# Altium PCB USB HUB3.0-PCB.PcbDoc (part 1 of 3)
Units mil, origin at the board's own origin, x right, y up, seen from the top; angles counter-clockwise.
Board outline 2950 x 3195 mil, 4 copper layers (TOP, GND02, PWR03, BOTTOM), stack 61.811 mil thick; 109 components, 81 nets, 1499 pads, 624 vias.
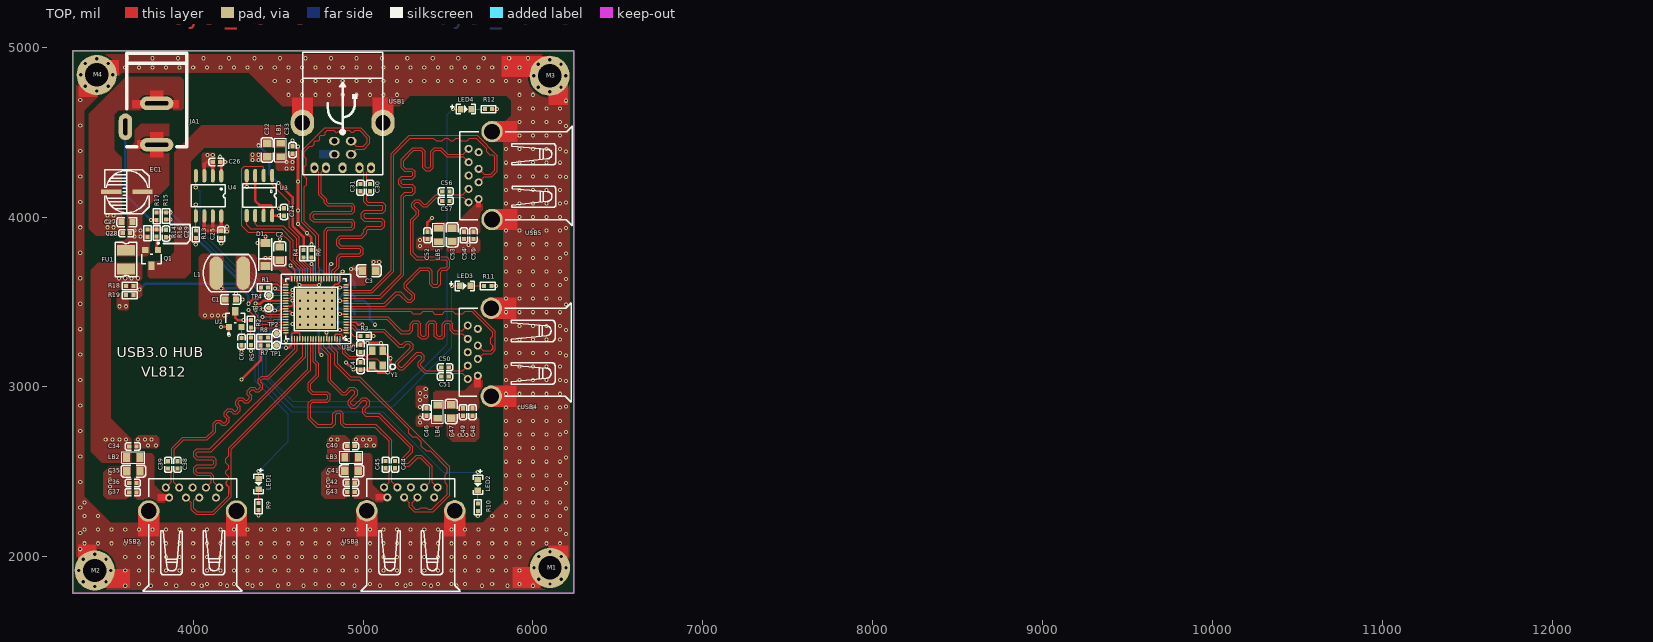
[diagram p0: TOP view]
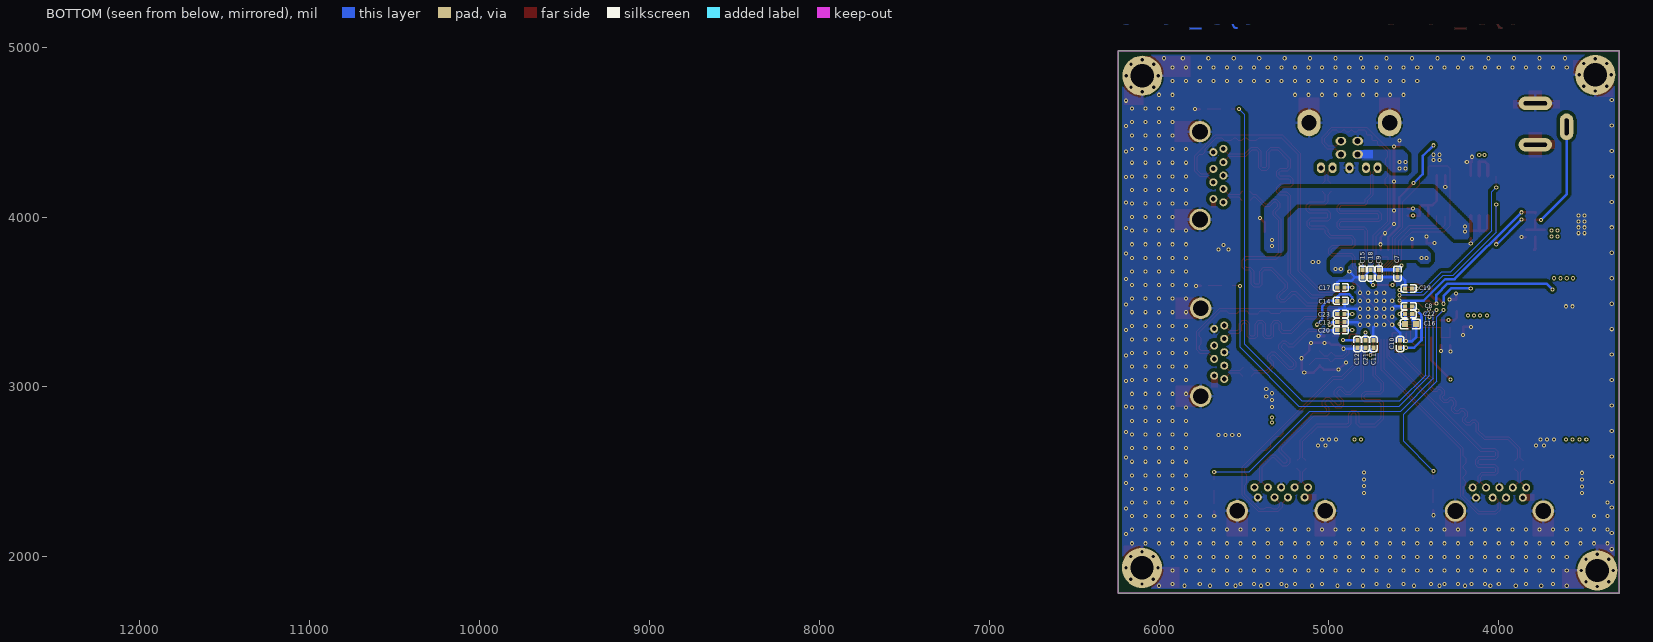
[diagram p1: BOTTOM view, seen from below]
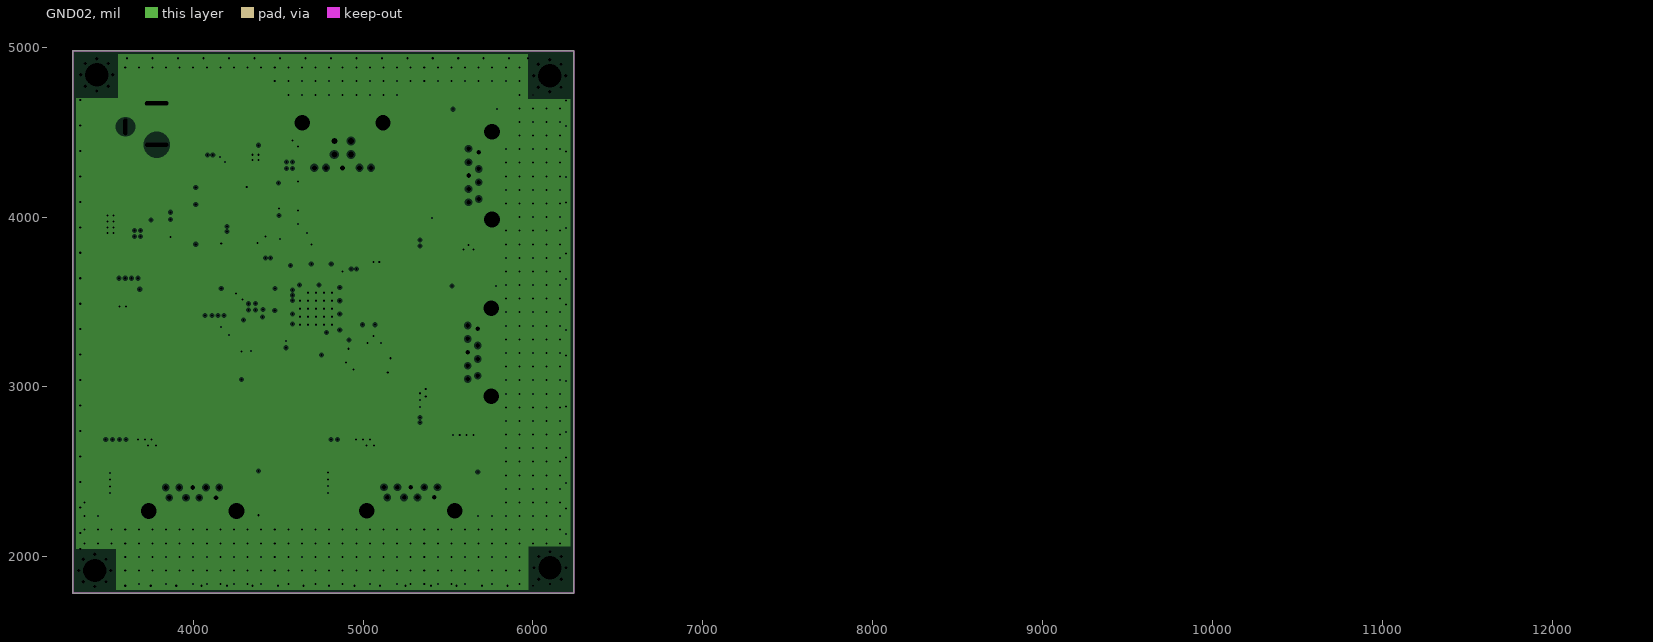
[diagram p2: GND02, clearances drawn from the general rule]
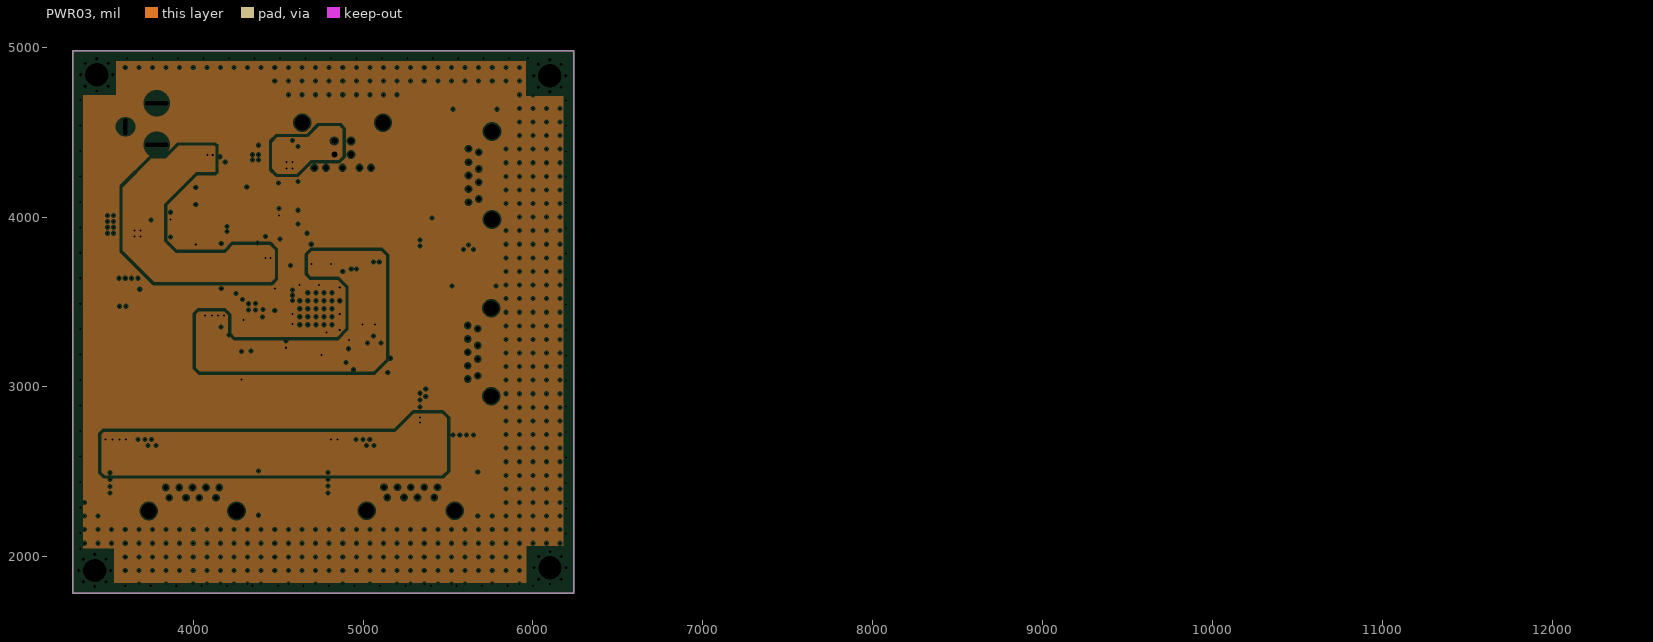
[diagram p3: PWR03, clearances drawn from the general rule]

## Layer stack, top to bottom
Top Solder: solder mask 0.8, Solder Resist, Dk 3.8
TOP: signal copper 1.378
2133PP: prepreg 3.937, PP-014, Dk 4.05
GND02: plane copper 0.689, net GND
Core: core 49.803, Core-036, Dk 4.6
PWR03: plane copper 0.689, net (Multiple Nets)
2313PP: prepreg 3.937, PP-014, Dk 4.05
BOTTOM: signal copper 1.378
Bottom Solder: solder mask 0.492, Solder Resist, Dk 3.8

## Board outline
3290,1785 6240,1785 6240,4980 3290,4980

## Design rules (kind name [scope] priority, off if disabled: settings)
Clearance Clearance_GND_Poly [InNet('GND') and InPoly] p1: gap=15 ignorepadtopadclearanceinfootprint=TRUE except(8: Arc-Via Track-Via SMDPad-Via THPad-Via Via-Via; 10: Via-Fill Via-Poly Via-Region)
Clearance Clearance_UI_ROOM [All vs WithinRoom('U1_ROOM')] p2: gap=6 ignorepadtopadclearanceinfootprint=TRUE
Clearance [All] p3: gap=6 ignorepadtopadclearanceinfootprint=TRUE except(8: Via-Fill Via-Poly Via-Region; 10: Arc-Fill Arc-Poly Arc-Region Track-Fill Track-Poly Track-Region SMDPad-Fill SMDPad-Poly SMDPad-Region THPad-Fill THPad-Poly THPad-Region Fill-Fill Fill-Poly Fill-Region Poly-Poly Poly-Region Region-Region)
DiffPairsRouting [InDifferentialPairClass('DIFF90')] p1: maxlimit=8 minlimit=8 mostfreqgap=8 toplayer_minwidth=6 toplayer_maxwidth=6 toplayer_prefwidth=6 bottomlayer_minwidth=6 bottomlayer_maxwidth=6 bottomlayer_prefwidth=6 maxuncoupledlength=500
MatchedLengths MatchedLengths_5 [InxSignalClass('USB3')] p1: tolerance=25 checknetsindiffpair=FALSE checkdiffpairvsdiffpair=TRUE checkxsignals=TRUE checkothers=TRUE
MatchedLengths MatchedLengths_4 [InxSignalClass('USB4')] p2: tolerance=25 checknetsindiffpair=FALSE checkdiffpairvsdiffpair=TRUE checkxsignals=TRUE checkothers=TRUE
MatchedLengths MatchedLengths_3 [InxSignalClass('USB5')] p3: tolerance=25 checknetsindiffpair=FALSE checkdiffpairvsdiffpair=TRUE checkxsignals=TRUE checkothers=TRUE
MatchedLengths MatchedLengths_1 [InxSignalClass('All xSignals')] p4: tolerance=5 checknetsindiffpair=TRUE checkdiffpairvsdiffpair=FALSE checkxsignals=FALSE checkothers=FALSE
MatchedLengths MatchedLengths_2 [InxSignalClass('USB2')] p5: tolerance=25 checknetsindiffpair=FALSE checkdiffpairvsdiffpair=TRUE checkxsignals=TRUE checkothers=TRUE
MatchedLengths [InxSignalClass('USB1')] p6: tolerance=25 checknetsindiffpair=FALSE checkdiffpairvsdiffpair=TRUE checkxsignals=TRUE checkothers=TRUE
PlaneClearance [All] p1: clearance=9
PlaneConnect [All] p1: pad.planeconnectstyle=Relief pad.reliefexpansion=8 pad.reliefentries=4 pad.reliefconductorwidth=15 pad.reliefairgap=10 via.planeconnectstyle=Direct via.reliefexpansion=8 via.reliefentries=4 via.reliefconductorwidth=15 via.reliefairgap=10
PolygonConnect [All] p1: thpad.connectstyle=Relief thpad.reliefconductorwidth=15 thpad.reliefentries=4 thpad.polygonreliefangle="90 Angle" thpad.airgapwidth=10 smdpad.connectstyle=Direct smdpad.reliefconductorwidth=10 smdpad.reliefentries=4 smdpad.polygonreliefangle="90 Angle" smdpad.airgapwidth=10 via.connectstyle=Direct via.reliefconductorwidth=10 via.reliefentries=4 via.polygonreliefangle="90 Angle" via.airgapwidth=10
RoomDefinition U1_ROOM [False] p1: confinementstyle=ConfineIn formatcopy=TRUE lockcomponents=FALSE outline 4475,3705 4970,3705 4970,3210 4475,3210
RoutingVias [All] p1: holewidth=12 width=24 viastyle="Through Hole" minholewidth=12 minwidth=24 maxholewidth=28 maxwidth=50
SolderMaskExpansion [All] p1: expansion=2.5 istentingtop=FALSE
Width Width_POWER_ROOM [InNetClass('POWER') and WithinRoom('U1_ROOM')] p1: maxlimit=60 minlimit=8 preferedwidth=8
Width Width_POWER [InNetClass('POWER')] p2: maxlimit=60 minlimit=15 preferedwidth=15
Width [All] p3: maxlimit=30 minlimit=6 preferedwidth=6
27 further rules are at their usual default settings.

## Classes and differential pairs
net class USB_POWER: NetC33_1 NetC35_1 NetC41_1 NetC47_1 NetC53_1
net class USB3.0: SSRX0+ SSRX0- SSRX1+ SSRX1- SSRX2+ SSRX2- SSRX3+ SSRX3- SSRX4+ SSRX4- SSTX0+ SSTX0+_E SSTX0- SSTX0-_E SSTX1+ SSTX1+_E SSTX1- SSTX1-_E SSTX2+ SSTX2+_E SSTX2- SSTX2-_E SSTX3+ SSTX3+_E SSTX3- SSTX3-_E SSTX4+ SSTX4+_E SSTX4- SSTX4-_E USBDP+ USBDP- USBHP1+ USBHP1- USBHP2+ USBHP2- USBHP3+ USBHP3- USBHP4+ USBHP4-
component class "Room Definition 4": C52 C53 C54 C55 C56 C57 LB5 USB5
component class "Room Definition 3": C46 C47 C48 C49 C50 C51 LB4 USB4
component class "Room Definition 2": C40 C41 C42 C43 C44 C45 LB3 USB3
component class "Room Definition 1": C34 C35 C36 C37 C38 C39 LB2 USB2
net class LED: GRN1 GRN2 GRN3 GRN4
differential pair class DIFF90: D_SSRX0 D_SSRX1 D_SSRX2 D_SSRX3 D_SSRX4 D_SSTX0 D_SSTX0_E D_SSTX1 D_SSTX1_E D_SSTX2 D_SSTX2_E D_SSTX3 D_SSTX3_E D_SSTX4 D_SSTX4_E D_USBDP D_USBHP1 D_USBHP2 D_USBHP3 D_USBHP4 DIFF90-1
net class POWER: 1V2 3V3 GND VBUS VCC5V VDP1~3 VDP4
differential pair D_SSRX0: +SSRX0+ -SSRX0-
differential pair D_SSRX1: +SSRX1+ -SSRX1-
differential pair D_SSRX2: +SSRX2+ -SSRX2-
differential pair D_SSRX3: +SSRX3+ -SSRX3-
differential pair D_SSRX4: +SSRX4+ -SSRX4-
differential pair D_SSTX0_E: +SSTX0+_E -SSTX0-_E
differential pair D_SSTX0: +SSTX0+ -SSTX0-
differential pair D_SSTX1_E: +SSTX1+_E -SSTX1-_E
differential pair D_SSTX1: +SSTX1+ -SSTX1-
differential pair D_SSTX2_E: +SSTX2+_E -SSTX2-_E
differential pair D_SSTX2: +SSTX2+ -SSTX2-
differential pair D_SSTX3_E: +SSTX3+_E -SSTX3-_E
differential pair D_SSTX3: +SSTX3+ -SSTX3-
differential pair D_SSTX4_E: +SSTX4+_E -SSTX4-_E
differential pair D_SSTX4: +SSTX4+ -SSTX4-
differential pair D_USBHP1: +USBHP1+ -USBHP1-
differential pair D_USBHP2: +USBHP2+ -USBHP2-
differential pair D_USBHP3: +USBHP3+ -USBHP3-
differential pair D_USBHP4: +USBHP4+ -USBHP4-
differential pair D_USBDP: +USBDP+ -USBDP-

## Components (designator, comment, footprint, x,y, rotation, side; value= is the part's Value field where it differs from the comment)
C1 "106" C0603 4220,3515 r0 top
C2 "475" C0805 4510,3784.37 r90 top
C3 "475" C0805 5034.37,3685 r0 top
C4 "18P" C0402 4984.92,3123.35 r270 top
C5 "18P" C0402 4984.92,3226.65 r90 top
C6 "105" C0402 4285,3266.65 r270 top
C7 "104" C0402 4596.18,3667.4 r270 bottom
C8 "104" C0402 4530,3475 r0 bottom
C9 "104" C0402 4706.42,3667.4 r270 bottom
C10 "104" C0402 4580.43,3253.07 r90 bottom
C11 "104" C0402 4737.91,3253.07 r90 bottom
C12 "104" C0402 4832.4,3253.07 r270 bottom
C13 "104" C0402 4929.33,3381.5 r180 bottom
C14 "104" C0402 4929.33,3507.48 r180 bottom
C15 "104" C0402 4800.91,3667.4 r270 bottom
C16 "475" C0603 4520,3370 r180 bottom
C17 "104" C0402 4929.33,3586.22 r0 bottom
C18 "104" C0402 4753.66,3667.4 r90 bottom
C19 "104" C0402 4530,3580.47 r0 bottom
C20 "104" C0402 4929.33,3334.25 r0 bottom
C21 "104" C0402 4785.16,3253.07 r270 bottom
C22 "104" C0402 4530,3428.74 r180 bottom
C23 "104" C0402 4929.33,3428.74 r0 bottom
C24 "105" C0402 4535,4030 r90 top
C25 "105" C0402 4165,3898.35 r270 top
C26 "105" C0402 4136.65,4325 r180 top
C27 "105" C0603 3610,3970 r0 top
C28 "104" C0402 3606.65,3905 r0 top
C29 "104" C0402 3840,3903.35 r90 top
C30 "104" C0402 5040,4173.35 r270 top
C31 "104" C0402 4985,4173.35 r270 top
C32 "106" C0805 4435,4395 r270 top
C33 "1000pF" C0402 4585,4395 r90 top
C34 "104" C0402 3644.33,2650 r0 top
C35 "106" C0805 3647.68,2505 r180 top
C36 "104" C0402 3644.33,2435 r180 top
C37 "1000pF" C0402 3644.33,2380 r180 top
C38 "104" C0402 3907.68,2541.65 r90 top
C39 "104" C0402 3852.68,2541.65 r90 top
C40 "104" C0402 4928.62,2651.26 r0 top
C41 "106" C0805 4931.97,2506.26 r180 top
C42 "104" C0402 4928.62,2436.26 r180 top
C43 "1000pF" C0402 4928.62,2381.26 r180 top
C44 "104" C0402 5187.97,2542.91 r90 top
C45 "104" C0402 5132.97,2542.91 r90 top
C46 "104" C0402 5373.74,2852.36 r90 top
C47 "106" C0805 5518.74,2855.71 r270 top
C48 "104" C0402 5643.74,2852.36 r270 top
C49 "1000pF" C0402 5588.74,2852.36 r270 top
C50 "104" C0402 5482.09,3115.71 r180 top
C51 "104" C0402 5482.09,3060.71 r180 top
C52 "104" C0402 5378.74,3892.36 r90 top
C53 "106" C0805 5523.74,3895.71 r270 top
C54 "104" C0402 5593.74,3892.36 r270 top
C55 "1000pF" C0402 5648.74,3892.36 r270 top
C56 "104" C0402 5487.09,4150.71 r180 top
C57 "104" C0402 5487.09,4095.71 r180 top
D1 "MMGZ5232BPT /X" LL-34 4425,3780 r270 top
EC1 "100uF" C_SMD(6.3x7.7) 3610,4150 r180 top
FU1 "5V/1.5A" FU1210 3605,3749.88 r90 top
JA1 "DC_JACK" DC_005 3785,4965.16 r270 top
L1 "10uH" CD53 4215,3670 r0 top
LB1 "FB" L0805 4515,4395 r270 top
LB2 "FB" L0805 3647.05,2585 r0 top
LB3 "FB" L0805 4931.34,2586.26 r0 top
LB4 "FB" L0805 5438.74,2855.08 r90 top
LB5 "FB" L0805 5443.74,3895.08 r90 top
LED1 "GREEN" LED_0603 4385,2428.9 r270 top
LED2 "GREEN" LED_0603 5675,2423.31 r270 top
LED3 "GREEN" LED_0603 5598.9,3595 r0 top
LED4 "GREEN" LED_0603 5605,4635 r0 top
M1 "M_KONG" M3*8 6100,1935 r180 top
M2 "M_KONG" M3*8 3420,1920 r180 top
M3 "M_KONG" M3*8 6098.07,4831.93 r180 top
M4 "M_KONG" M3*8 3431.93,4836.93 r180 top
Q1 "AO3401" SOT23 3755,3760 r180 top
R1 "0R" R0402 4420,3585 r0 top
R2 "10K" R0402 4340,3371.65 r270 top
R3 "6.04K 1%" R0402 5005,3300 r0 top
R4 "4.7K 1%" R0402 4650,3785 r270 top
R5 "100K" R0402 4340,3268.31 r270 top
R6 "10K 1%" R0402 4695,3785 r90 top
R7 "10K" R0402 4418.35,3245 r0 top
R8 "10K" R0402 4418.35,3290 r0 top
R9 "680R" R0402 4385,2296.14 r270 top
R10 "680R" R0402 5675,2291.65 r270 top
R11 "680R" R0402 5733.35,3595 r0 top
R12 "680R" R0402 5738.35,4635 r0 top
R13 "10K" R0402 4015,3898.35 r270 top
R14 "4.7K" R0402 3730,3905 r90 top
R15 "10K" R0402 3840,4006.65 r270 top
R16 "4.7K" R0402 3785,3906.65 r270 top
R17 "4.7K" R0402 3785,4005 r270 top
R18 "5.1K" R0402 3626.65,3595 r0 top
R19 "10K" R0402 3626.65,3540 r180 top
TP1 "TESTPOINT" TP 4490,3245 r270 top
TP2 "TESTPOINT" TP 4490,3315 r270 top
TP3 "TESTPOINT" TP 4445,3465 r270 top
TP4 "TESTPOINT" TP 4445,3540 r270 top
U1 "VL812(B1)_QFN76" QFN76-0.4_9*9 4722.17,3460.24 r180 top
U2 "FP6809-29NS3G" SOT23 4247.6,3399.57 r0 top
U3 "MX25L512COI-12G" SOIC8 4465.08,4245 r270 top
U4 "G547E2P11U" SOP8 4090,4125 r270 top
USB1 "USB3.0-B" USB3.0-B 4879.91,4422.38 r180 top
USB2 "USB3.0-A" USB3.0-A 3996.34,2338.9 r0 top
USB3 "USB3.0-A" USB3.0-A 5280.63,2340.16 r0 top
USB4 "USB3.0-A" USB3.0-A 5684.84,3204.37 r90 top
USB5 "USB3.0-A" USB3.0-A 5689.84,4244.37 r90 top
Y1 "25MHz" 0SC-3225_4 5084.92,3170 r90 top

## Footprints (in the part's own frame and the unit in brackets; to place one, negate y for a bottom-side part, rotate by r counter-clockwise, add the part's x,y. Pads: shape width x height; smd on the part's side, far side on the other; paste and mask are expansions set on the pad)
0SC-3225_4 [mm]
  rect 1.2x1 smd: 1(-1.1,-0.782) 2(1.1,0.782) 3(1.1,-0.782) 4(-1.1,0.782)
  silkscreen extent -2,-1.52 2,1.52
C0402 [mm]
  rect 0.65x0.6 smd: 1(-0.55,0) 2(0.55,0)
  silkscreen extent -1.13,-0.55 1.13,0.55
C0603 [mm]
  rect 0.9x0.9 smd: 1(-0.8,0) 2(0.8,0)
  silkscreen extent -1.5,-0.7 1.5,0.7, body extent -0.8,-0.4 0.8,0.4, height 0.3
C0805 [mm]
  rect 1.1x1.3 smd: 1(-1,0) 2(1,0)
  silkscreen extent -1.83,-0.89 1.83,0.89, body extent -1,-0.63 1,0.63, height 0.77
C_SMD(6.3x7.7) [mm]
  rect 3x0.7 smd: 1(-2.35,0) 2(2.35,0)
  silkscreen extent -3.3,-3.3 3.3,3.3
CD53 [mm]
  oval 2x5 smd: 1(2,0) 2(-2,0)
  silkscreen extent -3.96,-2.8 3.96,2.8
DC_005 [mm]
  oval 2x5 hole 0.6 slot 3.5 at 90 deg: 1(13.7,0) 2(7.5,0)
  oval 4x2 hole 0.6 slot 2.5 at 0 deg: 3(11.024,-4.674)
  silkscreen extent 0,-4.5 14,4.5, body extent 0,-4.8 14.1,4.5, height 11.01
FU1210 [mm]
  rect 1.6x2.7 smd: 1(-1.4,0) 2(1.4,0)
  silkscreen extent -2.57,-1.6 2.59,1.6
L0805 [mm] "Chip Inductor, 2-Leads, Body 2.0x1.2mm, IPC Medium Density"
  rect 1x1.3 smd: 1(-1,0) 2(1,0)
  silkscreen extent -1.73,-0.86 1.73,0.86, body extent -1,-0.6 1,0.6, height 1
LED_0603 [mm]
  rect 0.8x0.96 smd: 1(-0.79,0) 2(0.79,0)
  silkscreen extent -2.35,-0.71 1.42,0.71, body extent -0.81,-0.4 0.81,0.4, height 0.6
LL-34 [mm]
  rect 1.2x1.5 smd: 1(-1.7,0) 2(1.7,0)
  silkscreen extent -2.42,-0.97 2.45,0.95, body extent -1.75,-0.75 1.75,0.75
M3*8 [mm] "M3螺丝孔"
  round 0.5 hole 0.5: 1(-2.4,0) 1(-1.7,1.7) 1(-1.7,-1.7) 1(0,2.4) 1(0,-2.4) 1(1.7,1.7) 1(1.7,-1.7) 1(2.4,0)
  round 6 hole 3.5: 1(0,0)
QFN76-0.4_9*9 [mm] "QFN, 76-Leads, Body 9.0x9.0mm (max), Pitch 0.40mm, IPC Medium Density"
  oval 0.8x0.22 smd: 1(-4.5,3.6) 2(-4.5,3.2) 3(-4.5,2.8) 4(-4.5,2.4) 5(-4.5,2) 6(-4.5,1.6) 7(-4.5,1.2) 8(-4.5,0.8) 9(-4.5,0.4) 10(-4.5,0) 11(-4.5,-0.4) 12(-4.5,-0.8) 13(-4.5,-1.2) 14(-4.5,-1.6) 15(-4.5,-2) 16(-4.5,-2.4) 17(-4.5,-2.8) 18(-4.5,-3.2) 19(-4.5,-3.6) 39(4.5,-3.6) 40(4.5,-3.2) 41(4.5,-2.8) 42(4.5,-2.4) 43(4.5,-2) 44(4.5,-1.6) 45(4.5,-1.2) 46(4.5,-0.8) 47(4.5,-0.4) 48(4.5,0) 49(4.5,0.4) 50(4.5,0.8) 51(4.5,1.2) 52(4.5,1.6) 53(4.5,2) 54(4.5,2.4) 55(4.5,2.8) 56(4.5,3.2) 57(4.5,3.6)
  oval 0.22x0.8 smd: 20(-3.6,-4.5) 21(-3.2,-4.5) 22(-2.8,-4.5) 23(-2.4,-4.5) 24(-2,-4.5) 25(-1.6,-4.5) 26(-1.2,-4.5) 27(-0.8,-4.5) 28(-0.4,-4.5) 29(0,-4.5) 30(0.4,-4.5) 31(0.8,-4.5) 32(1.2,-4.5) 33(1.6,-4.5) 34(2,-4.5) 35(2.4,-4.5) 36(2.8,-4.5) 37(3.2,-4.5) 38(3.6,-4.5) 58(3.6,4.5) 59(3.2,4.5) 60(2.8,4.5) 61(2.4,4.5) 62(2,4.5) 63(1.6,4.5) 64(1.2,4.5) 65(0.8,4.5) 66(0.4,4.5) 67(0,4.5) 68(-0.4,4.5) 69(-0.8,4.5) 70(-1.2,4.5) 71(-1.6,4.5) 72(-2,4.5) 73(-2.4,4.5) 74(-2.8,4.5) 75(-3.2,4.5) 76(-3.6,4.5)
  rect 6x6 smd: G(0,0)
  silkscreen extent -5.2,-5.2 5.2,5.2, body extent -4.5,-4.5 4.5,4.5, height 0.85
R0402 [mm]
  rect 0.6x0.6 smd: 1(-0.55,0) 2(0.55,0)
  silkscreen extent -1.1,-0.55 1.1,0.55, body extent -0.5,-0.25 0.5,0.25, height 0.35
SOIC8 [mm]
  oval 2x0.6 smd: 1(0,0) 2(0,-1.27) 3(0,-2.54) 4(0,-3.81) 5(6,-3.81) 6(6,-2.54) 7(6,-1.27) 8(6,0)
  silkscreen extent 1.25,-4.44 4.75,0.64, body extent -0.02,-4.4 6.02,0.62, height 1.6
SOP8 [mm]
  oval 2x0.6 smd: 1(-3,1.905) 2(-3,0.635) 3(-3,-0.635) 4(-3,-1.905) 5(3,-1.905) 6(3,-0.635) 7(3,0.635) 8(3,1.905)
  silkscreen extent -1.65,-2.55 1.65,2.54, body extent -3,-2.45 3,2.45, height 1.7
SOT23 [mm]
  rect 0.91x0.93 smd: 1(-0.95,-1.175) 2(0.95,-1.175)
  rect 0.92x1.3 smd: 3(0,1.175)
  silkscreen extent -1.45,-2.32 1.45,0.9, body extent -1.5,-1.5 1.5,1.5, height 1
TP [mm] "测试点"
  round 0.8 smd: 1(0,0)
  silkscreen extent -0.6,-0.6 0.6,0.6
USB3.0-A [mm] "USB3.0-A口（母座）"
  round 1.2 hole 0.7: 1(-3.5,0.25) 2(-1,0.25) 3(1,0.25) 4(3.5,0.25) 5(4,1.75) 6(2,1.75) 7(0,1.75) 8(-2,1.75) 9(-4,1.75)
  round 3.2 hole 2.35: 10(-6.57,-1.75) 11(6.57,-1.75)
  silkscreen extent -7.47,-13.75 7.43,3.05
USB3.0-B [mm]
  oval 1.6x1.27 hole 0.92: 1(1.25,1.355) 2(-1.25,1.355) 3(-1.25,-0.645) 4(1.25,-0.645)
  oval 1.2x1.6 hole 0.75: 5(-4.25,3.355) 6(-2.5,3.355) 7(0.02,3.355) 8(2.5,3.355) 9(4.25,3.355)
  oval 3.5x4 hole 2.3: 10(-6.02,-3.355) 11(6.02,-3.355)
  silkscreen extent -6,-13.93 6,4.42

## Part data
C1 C2 C3 C4 C5 C6 C7 C8 C9 C10 C11 C12 C13 C14 C15 C16 C17 C18 C19 C20 C21 C22 C23 C24 C25 C26 C27 C28 C29 C30 C31 C32 C33 C34 C35 C36 C37 C38 C39 C40 C41 C42 C43 C44 C45 C46 C47 C48 C49 C50 C51 C52 C53 C54 C55 C56 C57: library part CAP, "Capacitor", =贴片电容
D1: library part DIODE_Zener, "稳压二极管"
EC1: library part ELECTRO, "Electrolytic Capacitor", =电解电容
FU1: library part FUSE, "保险丝"
JA1: "5V/9V电源座"
L1: library part INDUCTOR1, "磁芯/铁心电感", =绕线电感
LB1 LB2 LB3 LB4 LB5: "磁珠"
LED1 LED2 LED3 LED4: library part LED, "发光二极管"
Q1: library part MOSFET-P, "P-Channel MOSFET"
R1 R2 R3 R4 R5 R6 R7 R8 R9 R10 R11 R12 R13 R14 R15 R16 R17 R18 R19: library part RES, "电阻", Res=10K
TP1 TP2 TP3 TP4: library part TP, "测试点"
U1: library part VL812(B1)_099, "USB 3.0 HUB Controller"
U2: library part FP6809, "微处理器复位芯片"
U3: library part A25QXX, "Flash", Part Field 1=FLASH
U4: "MOS管开关芯片"
Y1: library part CRYSTAL_4PIN, "晶振", Part Field 1=晶振

## Free pads (board coordinates)
  round 5.12 on Mech2: 1(8767.44,3709.28) 1(8767.44,3709.28) 1(8767.44,3709.28) 1(8767.44,3819.12) 1(8767.44,3819.12) 1(8767.44,3928.97) 1(8767.44,3928.97) 1(8767.44,4038.81) 1(8767.44,4038.81) 1(8767.44,4038.81) 1(8767.44,4038.81) 1(8767.44,4038.81) 1(9217.44,3709.28) 1(9217.44,4038.81) 1(9267.44,4038.81) 1(9867.44,3709.28) 1(9867.44,4038.81) 1(9867.44,4038.81) 1(10567.44,3709.28) 1(10567.44,4038.81) 1(10567.44,4038.81) 1(10567.44,4038.81) 1(11167.44,3709.28) 1(11167.44,4038.81) 1(11167.44,4038.81) 1(11167.44,4038.81) 1(11917.44,3709.28) 1(11917.44,4038.81) 1(11917.44,4038.81) 1(11917.44,4038.81) 1(12367.44,3709.28) 1(12367.44,3819.12) 1(12367.44,3928.97) 1(12367.44,4038.81) 1(12367.44,4038.81) 1(12392.25,3707.81) 1(12392.25,3709.28) 1(12392.25,3819.12) 1(12392.25,3928.97) 1(12392.25,4038.81) 1(12392.25,4038.81) 1(12392.25,4038.81)
  round 6 on Mech2: 1(8970.47,3967.16) 1(8970.47,3967.16) 1(8970.47,4002.16) 1(8990.47,3967.16) 1(8997.97,3967.16) 1(9002.47,3979.41) 1(9010.47,4002.16) 1(9010.47,4002.16) 1(9018.47,3979.41) 1(9022.97,3967.16) 1(9030.47,4002.16) 1(9040.47,3967.16) 1(9040.47,3982.91) 1(9040.47,3982.91) 1(9040.47,3982.91) 1(9050.47,4002.16) 1(9060.47,3967.16) 1(9060.47,3967.16) 1(9060.47,3985.24) 1(9060.47,4002.16) 1(9060.47,4002.16) 1(9072.47,3985.24) 1(9080.47,3967.16) 1(9080.47,4002.16) 1(9090.47,3967.16) 1(9090.47,3984.08) 1(9090.47,4002.16) 1(9090.47,4002.16) 1(9102.97,3984.08) 1(9102.97,3984.08) 1(9102.97,3984.08) 1(9102.97,4002.16) 1(9102.97,4002.16) 1(9106.47,3985.83) 1(9106.47,3985.83) 1(9106.97,4000.41) 1(9106.97,4000.41) 1(9109.47,3988.74) 1(9109.47,3988.74) 1(9109.47,3998.08) 1(9109.47,3998.08) 1(9110.47,3967.16) 1(9110.47,3993.41) 1(9110.47,3993.41) 1(9395,4010.82) 1(9402,3975.82) 1(9402,3975.82) 1(9410,4010.82) 1(9410,4010.82) 1(9418,3975.82) 1(9418,3975.82) 1(9425,4010.82) 1(9434,3975.82) 1(9434,4010.82) 1(9440,3975.82) 1(9440,4010.82) 1(9446,3975.82) 1(9446,4010.82) 1(9459,3975.82) 1(9459,3975.82) 1(9459,4010.82) 1(9459,4010.82) 1(9469,3975.82) 1(9469,3975.82) 1(9469,4010.82) 1(9469,4010.82) 1(9473,3977.57) 1(9473,3977.57) 1(9473,4009.07) 1(9473,4009.07) 1(9476,3979.9) 1(9476,3979.9) 1(9476,4006.74) 1(9476,4006.74) 1(9478.5,3983.4) 1(9478.5,3983.4) 1(9478.5,4003.24) 1(9478.5,4003.24) 1(9480.5,3987.49) 1(9480.5,3987.49) 1(9480.5,3999.15) 1(9480.5,3999.15) 1(9481,3993.32) 1(9481,3993.32) 1(9488.5,4010.82) 1(9500,3975.82) 1(9500,4010.82) 1(9511.5,4010.82) 1(9519.5,3975.82) 1(9519.5,3993.32) 1(9519.5,4010.82) 1(9540.5,3975.82) 1(9540.5,3993.32) 1(9540.5,4010.82) 1(9600,3975.82) 1(9600,3975.82) 1(9600,3999.15) 1(9600,3999.15) 1(9602.5,3969.99) 1(9602.5,3969.99) 1(9602.5,4004.99) 1(9602.5,4004.99) 1(9607.5,3964.15) 1(9607.5,4010.82) 1(9625,3975.82) 1(9625,3992.74) 1(9625,3999.15) 1(9626.5,3995.65) 1(9626.5,3995.65) 1(9629,3997.99) 1(9629,3997.99) 1(9632.5,3999.15) 1(9632.5,3999.15) 1(9636,3997.99) 1(9636,3997.99) 1(9638.5,3995.65) 1(9638.5,3995.65) 1(9640,3975.82) 1(9640,3992.74) 1(9640,3992.74) 1(9640,3992.74) 1(9641.5,3995.65) 1(9641.5,3995.65) 1(9644,3997.99) 1(9644,3997.99) 1(9647.5,3999.15) 1(9647.5,3999.15) 1(9651,3997.99) 1(9651,3997.99) 1(9653.5,3995.65) 1(9653.5,3995.65) 1(9655,3975.82) 1(9655,3992.15) 1(9655,3992.15) 1(9669,4009.07) 1(9669,4009.07) 1(9669,4010.24) 1(9669,4010.24) 1(9670,3975.82) 1(9670,3999.15) 1(9670,4008.49) 1(9670,4008.49) 1(9670,4010.82) 1(9670,4010.82) 1(9671,4009.07) 1(9671,4009.07) 1(9671,4010.24) 1(9671,4010.24) 1(9700,3975.82) 1(9700,4010.82) 1(9732.5,3964.15) 1(9732.5,4010.82) 1(9737.5,3969.99) 1(9737.5,3969.99) 1(9737.5,4004.99) 1(9737.5,4004.99) 1(9740,3975.82) 1(9740,3975.82) 1(9740,3999.15) 1(9740,3999.15) 1(9988.25,3966.76) 1(9988.25,4001.76) 1(9994.25,3966.76) 1(9994.25,4001.76) 1(10000.25,3966.76) 1(10000.25,4001.76) 1(10011.25,3966.76) 1(10011.25,4001.76) 1(10011.25,4001.76) 1(10024.25,3972.59) 1(10024.25,3972.59) 1(10037.25,3966.76) 1(10037.25,4001.76) 1(10037.25,4001.76) 1(10044.25,3966.76) 1(10044.25,3981.34) 1(10044.25,4001.76) 1(10044.25,4001.76) 1(10056.25,3981.34) 1(10056.25,3981.34) 1(10056.25,4001.76) 1(10056.25,4001.76) 1(10060.25,4000.01) 1(10060.25,4000.01) 1(10060.75,3983.09) 1(10060.75,3983.09) 1(10063.25,3986.59) 1(10063.25,3986.59) 1(10063.25,3995.93) 1(10063.25,3995.93) 1(10064.25,3991.26) 1(10064.25,3991.26) 1(10074.25,3966.76) 1(10074.25,3966.76) 1(10074.25,3984.84) 1(10074.25,4001.76) 1(10074.25,4001.76) 1(10086.25,3984.84) 1(10094.25,3966.76) 1(10094.25,4001.76) 1(10103.25,3966.76) 1(10103.25,3966.76) 1(10103.25,4001.76) 1(10103.25,4001.76) 1(10113.25,3966.76) 1(10113.25,3966.76) 1(10113.25,4001.76) 1(10113.25,4001.76) 1(10117.25,3968.51) 1(10117.25,3968.51) 1(10117.25,4000.01) 1(10117.25,4000.01) 1(10120.25,3970.84) 1(10120.25,3970.84) 1(10120.25,3997.68) 1(10120.25,3997.68) 1(10122.75,3974.34) 1(10122.75,3974.34) 1(10122.75,3994.18) 1(10122.75,3994.18) 1(10124.75,3978.43) 1(10124.75,3978.43) 1(10124.75,3990.09) 1(10124.75,3990.09) 1(10125.25,3984.26) 1(10125.25,3984.26) 1(10131.75,3966.76) 1(10136.25,3979.01) 1(10144.25,4001.76) 1(10144.25,4001.76) 1(10152.25,3979.01) 1(10156.75,3966.76) 1(10162.75,3966.76) 1(10162.75,4001.76) 1(10162.75,4001.76) 1(10185.75,3966.76) 1(10185.75,3966.76) 1(10185.75,4001.76) 1(10191.75,3982.51) 1(10191.75,3982.51) 1(10192.25,3987.76) 1(10192.25,3987.76) 1(10192.75,3977.26) 1(10192.75,3977.26) 1(10194.25,3973.76) 1(10194.25,3973.76) 1(10194.25,3993.59) 1(10194.25,3993.59) 1(10196.75,3997.09) 1(10196.75,3997.09) 1(10197.25,3970.26) 1(10197.25,3970.26) 1(10200.25,4000.01) 1(10200.25,4000.01) 1(10200.75,3967.93) 1(10200.75,3967.93) 1(10204.25,3966.76) 1(10204.25,3966.76) 1(10204.75,4001.76) 1(10204.75,4001.76) 1(10207.75,3966.76) 1(10207.75,3966.76) 1(10208.75,4001.76) 1(10208.75,4001.76) 1(10211.25,3967.93) 1(10211.25,3967.93) 1(10212.25,4000.59) 1(10212.25,4000.59) 1(10214.25,3969.68) 1(10214.25,3969.68) 1(10215.25,3998.84) 1(10216.75,3972.01) 1(10224.25,3966.76) 1(10224.25,3966.76) 1(10224.25,3984.84) 1(10224.25,4001.76) 1(10224.25,4001.76) 1(10236.25,3984.84) 1(10244.25,3966.76) 1(10244.25,4001.76) 1(10334.25,3966.76) 1(10334.25,3966.76) 1(10334.25,3990.09) 1(10334.25,3990.09) 1(10336.75,3960.93) 1(10336.75,3960.93) 1(10336.75,3995.93) 1(10336.75,3995.93) 1(10341.75,3955.09) 1(10341.75,4001.76) 1(10365.25,3978.43) 1(10365.25,3978.43) 1(10366.25,3973.76) 1(10366.25,3973.76) 1(10366.25,3983.09) 1(10366.25,3983.09) 1(10368.25,3969.68) 1(10368.25,3969.68) 1(10368.25,3987.18) 1(10368.25,3987.18) 1(10371.25,3967.34) 1(10371.25,3967.34) 1(10371.25,3989.51) 1(10371.25,3989.51) 1(10374.25,3966.76) 1(10374.25,3966.76) 1(10374.25,3990.09) 1(10374.25,3990.09) 1(10377.25,3967.34) 1(10377.25,3967.34) 1(10377.25,3989.51) 1(10377.25,3989.51) 1(10380.25,3969.68) 1(10380.25,3969.68) 1(10380.25,3987.18) 1(10380.25,3987.18) 1(10382.25,3973.76) 1(10382.25,3973.76) 1(10382.25,3983.09) 1(10382.25,3983.09) 1(10382.75,3978.43) 1(10382.75,3978.43) 1(10395.75,3966.76) 1(10395.75,3984.84) 1(10395.75,4001.76) 1(10398.25,3987.76) 1(10398.25,3987.76) 1(10400.75,3989.51) 1(10400.75,3989.51) 1(10404.75,3990.09) 1(10404.75,3990.09) 1(10407.75,3989.51) 1(10407.75,3989.51) 1(10411.25,3987.18) 1(10411.25,3987.18) 1(10412.75,3966.76) 1(10412.75,3983.68) 1(10412.75,3983.68) 1(10419.25,3966.76) 1(10419.25,3983.68) 1(10419.25,3990.09) 1(10420.75,3986.59) 1(10420.75,3986.59) 1(10423.25,3988.93) 1(10423.25,3988.93) 1(10426.75,3990.09) 1(10426.75,3990.09) 1(10430.25,3988.93) 1(10430.25,3988.93) 1(10432.75,3986.59) 1(10432.75,3986.59) 1(10434.25,3966.76) 1(10434.25,3983.68) 1(10434.25,3983.68) 1(10434.25,3983.68) 1(10435.75,3986.59) 1(10435.75,3986.59) 1(10438.25,3988.93) 1(10438.25,3988.93) 1(10441.75,3990.09) 1(10441.75,3990.09) 1(10445.25,3988.93) 1(10445.25,3988.93) 1(10447.75,3986.59) 1(10447.75,3986.59) 1(10449.25,3966.76) 1(10449.25,3983.09) 1(10449.25,3983.09) 1(10466.75,3955.09) 1(10466.75,4001.76) 1(10471.75,3960.93) 1(10471.75,3960.93) 1(10471.75,3995.93) 1(10471.75,3995.93) 1(10474.25,3966.76) 1(10474.25,3966.76) 1(10474.25,3990.09) 1(10474.25,3990.09) 1(10752.36,3967.16) 1(10752.36,3981.74) 1(10752.36,4002.16) 1(10752.36,4002.16) 1(10764.36,3981.74) 1(10764.36,3981.74) 1(10764.36,4002.16) 1(10764.36,4002.16) 1(10768.36,4000.41) 1(10768.36,4000.41) 1(10768.86,3983.49) 1(10768.86,3983.49) 1(10771.36,3986.99) 1(10771.36,3986.99) 1(10771.36,3996.33) 1(10771.36,3996.33) 1(10772.36,3991.66) 1(10772.36,3991.66) 1(10782.36,3967.16) 1(10782.36,3984.08) 1(10782.36,4002.16) 1(10782.36,4002.16) 1(10794.86,3984.08) 1(10794.86,3984.08) 1(10794.86,3984.08) 1(10794.86,4002.16) 1(10794.86,4002.16) 1(10798.36,3985.83) 1(10798.36,3985.83) 1(10798.86,4000.41) 1(10798.86,4000.41) 1(10801.36,3988.74) 1(10801.36,3988.74) 1(10801.36,3998.08) 1(10801.36,3998.08) 1(10802.36,3967.16) 1(10802.36,3993.41) 1(10802.36,3993.41) 1(10812.36,3967.16) 1(10812.36,3967.16) 1(10812.36,3985.24) 1(10812.36,4002.16) 1(10812.36,4002.16) 1(10824.36,3985.24) 1(10832.36,3967.16) 1(10832.36,4002.16) 1(10839.86,3982.91) 1(10839.86,3982.91) 1(10840.36,3988.16) 1(10840.36,3988.16) 1(10840.86,3977.66) 1(10840.86,3977.66) 1(10842.36,3974.16) 1(10842.36,3974.16) 1(10842.36,3993.99) 1(10842.36,3993.99) 1(10844.86,3997.49) 1(10844.86,3997.49) 1(10845.36,3970.66) 1(10845.36,3970.66) 1(10848.36,4000.41) 1(10848.36,4000.41) 1(10848.86,3968.33) 1(10848.86,3968.33) 1(10852.36,3967.16) 1(10852.36,3967.16) 1(10852.86,4002.16) 1(10852.86,4002.16) 1(10855.86,3967.16) 1(10855.86,3967.16) 1(10856.86,4002.16) 1(10856.86,4002.16) 1(10859.36,3968.33) 1(10859.36,3968.33) 1(10860.36,4000.99) 1(10860.36,4000.99) 1(10862.36,3970.08) 1(10862.36,3970.08) 1(10863.36,3999.24) 1(10864.86,3972.41) 1(10876.36,3967.16) 1(10876.36,4002.16) 1(10882.36,3967.16) 1(10882.36,4002.16) 1(10888.36,3967.16) 1(10888.36,4002.16) 1(10901.86,3971.83) 1(10903.86,3993.41) 1(10903.86,3993.41) 1(10904.86,3997.49) 1(10904.86,3997.49) 1(10905.36,3989.33) 1(10905.36,3989.33) 1(10905.86,3968.91) 1(10905.86,3968.91) 1(10907.36,4000.41) 1(10907.36,4000.41) 1(10908.86,3986.99) 1(10908.86,3986.99) 1(10910.36,3967.16) 1(10910.36,3967.16) 1(10910.86,4002.16) 1(10910.86,4002.16) 1(10914.36,3967.16) 1(10914.36,3967.16) 1(10914.36,4002.16) 1(10914.36,4002.16) 1(10914.86,3985.83) 1(10914.86,3985.83) 1(10917.86,4000.99) 1(10917.86,4000.99) 1(10918.36,3968.91) 1(10918.36,3968.91) 1(10919.36,3983.49) 1(10919.36,3983.49) 1(10920.86,3998.08) 1(10921.36,3971.83) 1(10921.36,3971.83) 1(10921.86,3979.99) 1(10921.86,3979.99) 1(10922.86,3975.91) 1(10922.86,3975.91) 1(10936.36,3967.16) 1(10936.36,4002.16) 1(10942.36,3967.16) 1(10942.36,4002.16) 1(10948.36,3967.16) 1(10948.36,4002.16) 1(10958.86,3982.33) 1(10958.86,3982.33) 1(10958.86,3986.99) 1(10958.86,3986.99) 1(10959.86,3977.66) 1(10959.86,3977.66) 1(10959.86,3991.66) 1(10959.86,3991.66) 1(10961.86,3973.58) 1(10961.86,3973.58) 1(10961.86,3995.74) 1(10961.86,3995.74) 1(10964.86,3970.08) 1(10964.86,3970.08) 1(10964.86,3999.24) 1(10964.86,3999.24) 1(10968.36,3967.74) 1(10968.36,3967.74) 1(10968.36,4001.58) 1(10968.36,4001.58) 1(10972.36,3967.16) 1(10972.36,3967.16) 1(10972.36,4002.16) 1(10972.36,4002.16) 1(10976.36,3967.74) 1(10976.36,3967.74) 1(10976.36,4001.58) 1(10976.36,4001.58) 1(10979.86,3970.08) 1(10979.86,3970.08) 1(10979.86,3999.24) 1(10979.86,3999.24) 1(10982.86,3973.58) 1(10982.86,3973.58) 1(10982.86,3995.74) 1(10982.86,3995.74) 1(10984.86,3977.66) 1(10984.86,3977.66) 1(10984.86,3991.66) 1(10984.86,3991.66) 1(10985.86,3982.33) 1(10985.86,3982.33) 1(10985.86,3986.99) 1(10985.86,3986.99) 1(10990.86,3967.16) 1(10990.86,4002.16) 1(10990.86,4002.16) 1(11013.86,3967.16) 1(11013.86,3967.16) 1(11013.86,4002.16) 1(12022.44,3978.97) 1(12022.44,3995.89) 1(12022.44,4013.97) 1(12022.44,4013.97) 1(12034.94,3995.89) 1(12034.94,3995.89) 1(12034.94,3995.89) 1(12034.94,4013.97) 1(12034.94,4013.97) 1(12038.44,3997.64) 1(12038.44,3997.64) 1(12038.94,4012.22) 1(12038.94,4012.22) 1(12041.44,4000.55) 1(12041.44,4000.55) 1(12041.44,4009.89) 1(12041.44,4009.89) 1(12042.44,3978.97) 1(12042.44,4005.22) 1(12042.44,4005.22) 1(12052.44,3978.97) 1(12052.44,3978.97) 1(12052.44,3997.05) 1(12052.44,4013.97) 1(12052.44,4013.97) 1(12064.44,3997.05) 1(12072.44,3978.97) 1(12072.44,4013.97) 1(12079.44,3978.97) 1(12079.44,4013.97) 1(12079.44,4013.97) 1(12092.44,3984.8) 1(12092.44,3984.8) 1(12105.44,3978.97) 1(12105.44,4013.97) 1(12105.44,4013.97) 1(12109.94,3978.97) 1(12114.44,3991.22) 1(12122.44,4013.97) 1(12122.44,4013.97) 1(12130.44,3991.22) 1(12134.94,3978.97) 1(12142.44,3978.97) 1(12142.44,3995.89) 1(12142.44,4013.97) 1(12142.44,4013.97) 1(12154.94,3995.89) 1(12154.94,3995.89) 1(12154.94,3995.89) 1(12154.94,4013.97) 1(12154.94,4013.97) 1(12158.44,3997.64) 1(12158.44,3997.64) 1(12158.94,4012.22) 1(12158.94,4012.22) 1(12161.44,4000.55) 1(12161.44,4000.55) 1(12161.44,4009.89) 1(12161.44,4009.89) 1(12162.44,3978.97) 1(12162.44,4005.22) 1(12162.44,4005.22) 1(12171.44,3978.97) 1(12171.44,3992.39) 1(12171.44,4013.97) 1(12179.94,4002.3) 1(12190.44,4013.97) 1(12193.44,3978.97)